# Allegro board 8880F5-0825_4.brd (continued)
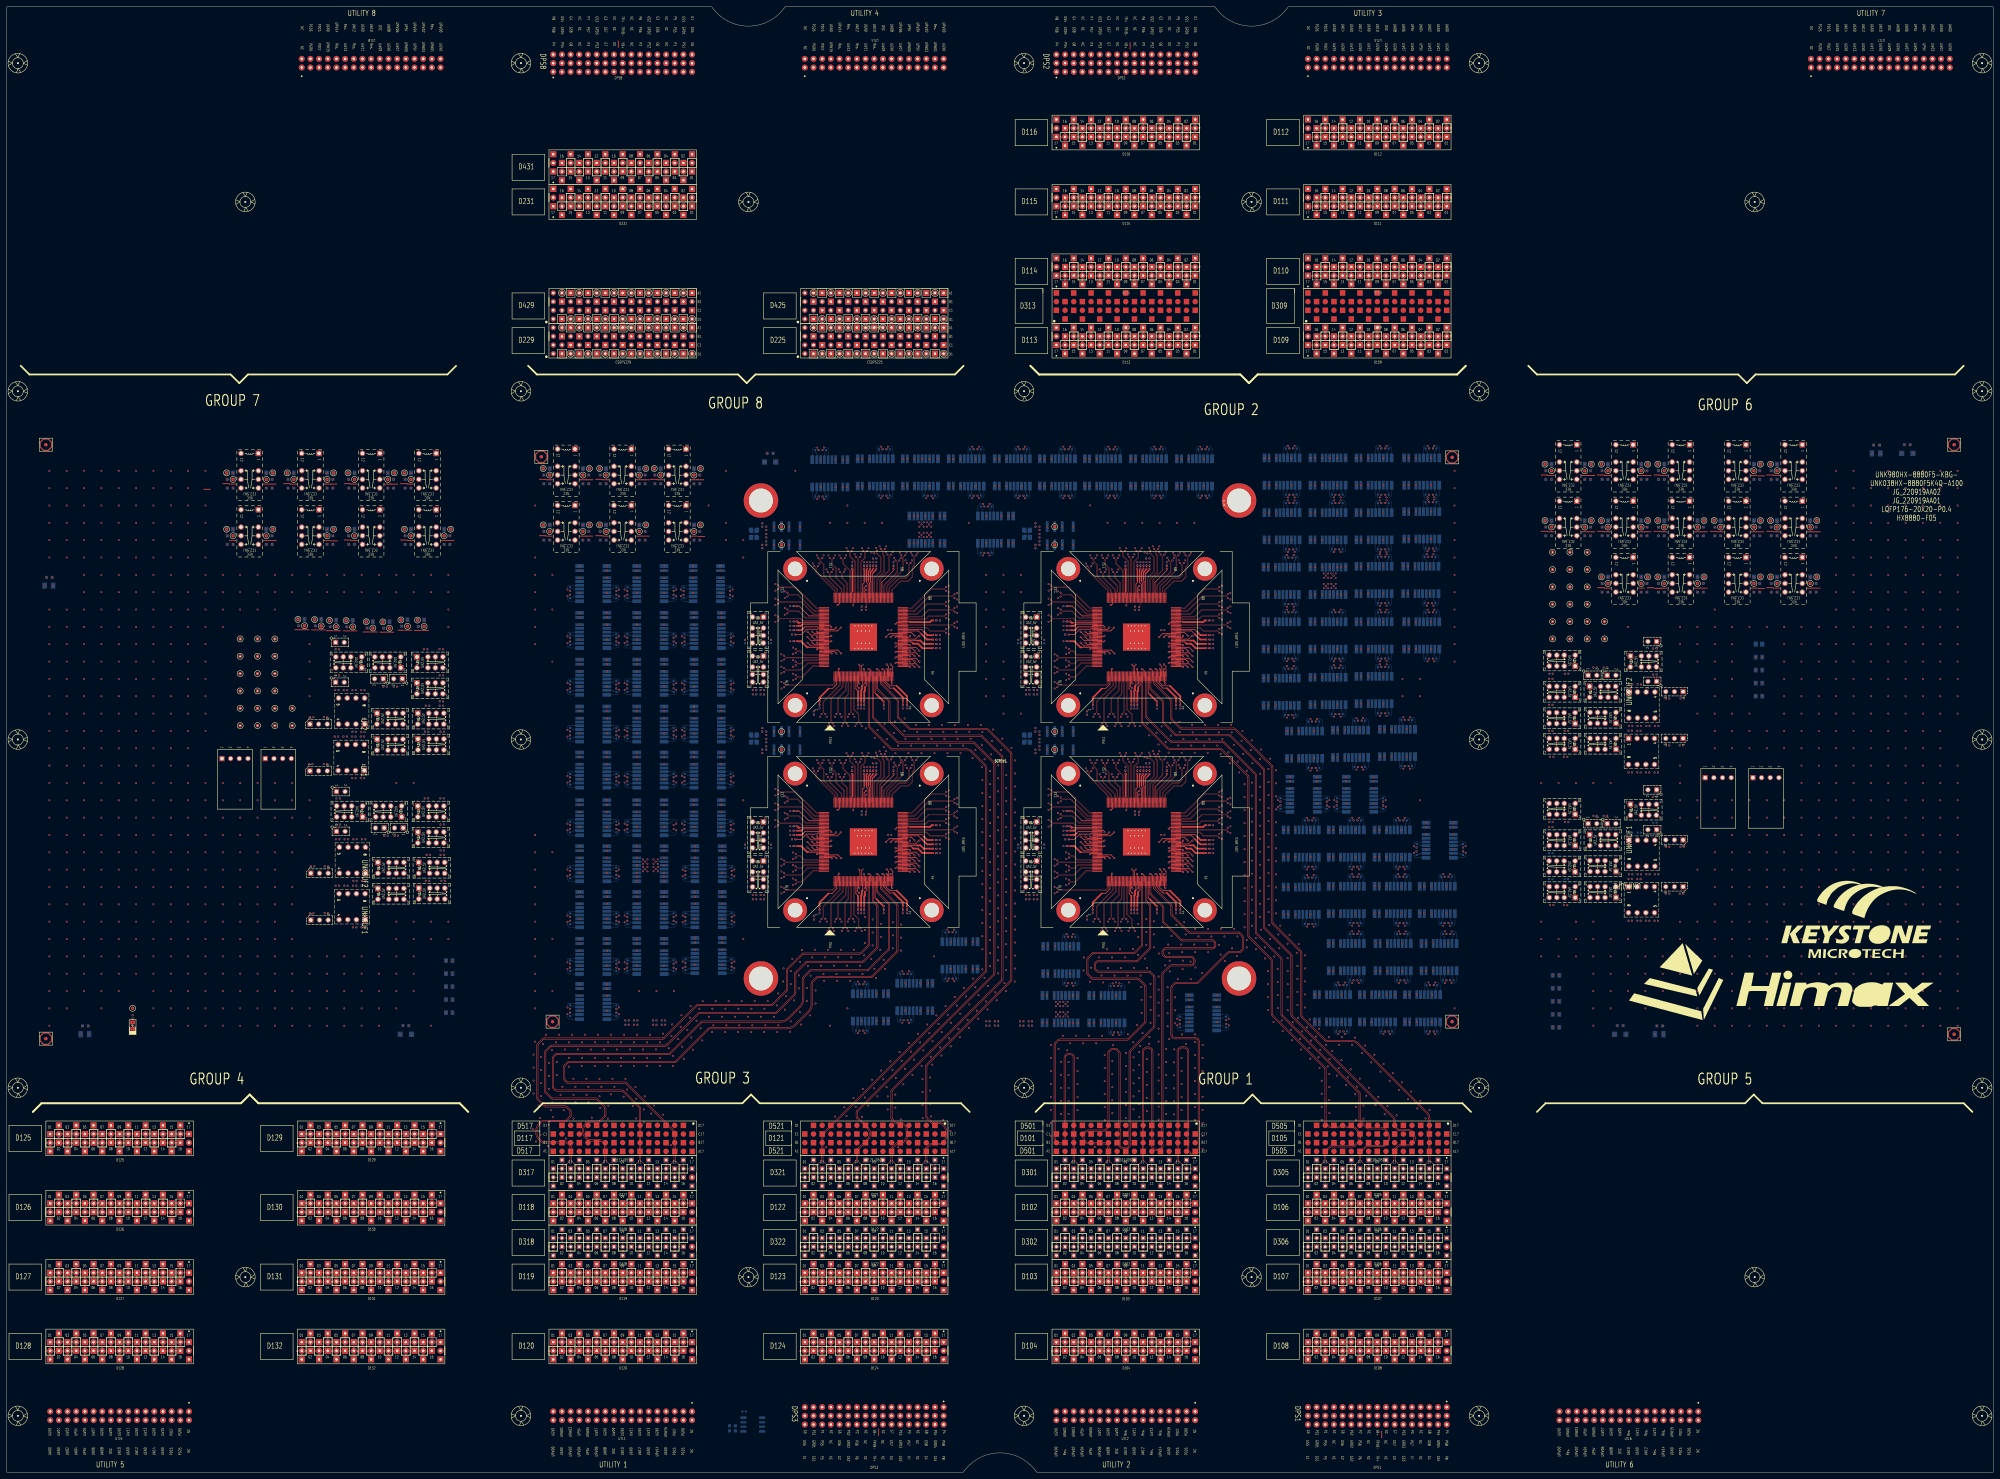
[diagram p0: board, top side]
## Routing (per net, layer and track width the routed paths; a pad name or vN(x,y) marks a point on that pad's centre or on a via; arc(x,y) is an arc through that point) (continued)
  L03_SIGNAL w0.074: D231.B12 172.72,369.11 ; D231.B12 171.91,368.3 ; D231.B12 173.53,368.3 ; D231.B12 172.72,367.49 ; D128.B14 46.53,40.64 ; D128.B14 45.72,39.83 ; D128.B14 45.72,41.45 ; D128.B14 44.91,40.64 ; 96.2,219.15 U2.4 ; U2.4 98.08,219.15 ; U2.4 97.14,218.21 ; U2.4 97.14,220.09 ; 263.45,88.9 D321.B13 ; D321.B13 264.16,89.61 ; D321.B13 264.16,88.19 ; D321.B13 264.87,88.9 ; D118.B1 160.02,79.55 ; D118.B1 159.21,78.74 ; D118.B1 160.02,77.93 ; D118.B1 160.83,78.74 ; 327.66,390.35 D116.B9 ; D116.B9 327.66,391.97 ; D116.B9 326.85,391.16 ; D116.B9 328.47,391.16 ; D115.A10 325.93,373.38 ; D115.A10 325.12,374.19 ; D115.A10 325.12,372.57 ; D115.A10 324.31,373.38 ; 311.61,350.52 D114.B15 ; D114.B15 312.42,349.71 ; D114.B15 312.42,351.33 ; D114.B15 313.23,350.52 ; 91.44,98.25 D129.B3 ; D129.B3 92.25,99.06 ; D129.B3 90.63,99.06 ; D129.B3 91.44,99.87 ; SITE3.G16 252.63,183.31 ; SITE3.G16 252.63,182.35 ; SITE3.G16 252.15,182.83 ; SITE3.G16 253.11,182.83 ; D129.B4 93.98,102.41 ; D129.B4 93.17,101.6 ; D129.B4 94.79,101.6 ; D129.B4 93.98,100.79 ; D102.B3 312.42,79.55 ; D102.B3 313.23,78.74 ; D102.B3 311.61,78.74 ; D102.B3 312.42,77.93 ; D305.A6 393.7,87.07 ; D305.A6 392.99,86.36 ; D305.A6 394.41,86.36 ; D305.A6 393.7,85.65 ; D123.B7 249.73,58.42 ; D123.B7 248.92,59.23 ; D123.B7 248.92,57.61 ; D123.B7 248.11,58.42 ; 386.08,32.21 D108.A3 ; D108.A3 385.27,33.02 ; D108.A3 386.08,33.83 ; D108.A3 386.89,33.02 ; 255.73,81.28 D122.B10 ; D122.B10 256.54,82.09 ; D122.B10 256.54,80.47 ; D122.B10 257.35,81.28 ; D103.A1 307.34,54.15 ; D103.A1 306.53,53.34 ; D103.A1 307.34,52.53 ; D103.A1 308.15,53.34 ; 34.75,81.28 D126.B10 ; D126.B10 35.56,80.47 ; D126.B10 35.56,82.09 ; D126.B10 36.37,81.28 ; D129.B10 110.03,101.6 ; D129.B10 109.22,100.79 ; D129.B10 108.41,101.6 ; D129.B10 109.22,102.41 ; D125.B6 26.21,101.6 ; D125.B6 24.59,101.6 ; D125.B6 25.4,102.41 ; D125.B6 25.4,100.79 ; 38.1,72.85 D126.A11 ; D126.A11 37.29,73.66 ; D126.A11 38.91,73.66 ; D126.A11 38.1,74.47 ; 170.18,339.55 CSDPS429.C13 ; CSDPS429.C13 170.99,340.36 ; CSDPS429.C13 170.18,341.17 ; CSDPS429.C13 169.37,340.36 ; CSDPS225.C15 239.57,330.2 ; CSDPS225.C15 238.76,329.39 ; CSDPS225.C15 237.95,330.2 ; CSDPS225.C15 238.76,331.01 ; 119.38,55.07 D131.A14 ; D131.A14 120.19,55.88 ; D131.A14 119.38,56.69 ; D131.A14 118.57,55.88 ; D318.A2 162.56,66.75 ; D318.A2 163.27,66.04 ; D318.A2 162.56,65.33 ; D318.A2 161.85,66.04 ; D124.B9 254.81,38.1 ; D124.B9 254,37.29 ; D124.B9 253.19,38.1 ; D124.B9 254,38.91 ; 482.59,184.17 UNK4U1.4 ; UNK4U1.4 481.65,185.11 ; UNK4U1.4 483.53,185.11 ; UNK4U1.4 482.59,186.05 ; D301.A6 320.75,86.36 ; D301.A6 320.04,85.65 ; D301.A6 320.04,87.07 ; D301.A6 319.33,86.36 ; 416.56,349.71 D110.B3 ; D110.B3 417.37,350.52 ; D110.B3 415.75,350.52 ; D110.B3 416.56,351.33 ; 258.27,58.42 D123.B11 ; D123.B11 259.08,59.23 ; D123.B11 259.89,58.42 ; D123.B11 259.08,57.61 ; 388.62,75.39 D106.A4 ; D106.A4 389.43,76.2 ; D106.A4 387.81,76.2 ; D106.A4 388.62,77.01 ; 342.09,330.2 D113.B3 ; D113.B3 343.71,330.2 ; D113.B3 342.9,329.39 ; D113.B3 342.9,331.01 ; 165.1,339.55 CSDPS429.C15 ; CSDPS429.C15 164.29,340.36 ; CSDPS429.C15 165.91,340.36 ; CSDPS429.C15 165.1,341.17 ; D231.A7 186.23,375.92 ; D231.A7 185.42,376.73 ; D231.A7 185.42,375.11 ; D231.A7 184.61,375.92 ; D109.A13 391.16,336.09 ; D109.A13 391.97,335.28 ; D109.A13 390.35,335.28 ; D109.A13 391.16,334.47 ; 37.29,53.34 D127.A11 ; D127.A11 38.1,52.53 ; D127.A11 38.1,54.15 ; D127.A11 38.91,53.34 ; SITE3.G9 250.33,188.41 ; SITE3.G9 250.33,187.45 ; SITE3.G9 249.85,187.93 ; SITE3.G9 250.81,187.93 ; D301.B10 330.91,91.44 ; D301.B10 330.2,92.15 ; D301.B10 329.49,91.44 ; D301.B10 330.2,90.73 ; 167.64,34.75 D120.A4 ; D120.A4 167.64,36.37 ; D120.A4 166.83,35.56 ; D120.A4 168.45,35.56 ; SITE4.G16 333.11,182.83 ; SITE4.G16 332.15,182.83 ; SITE4.G16 332.63,182.35 ; SITE4.G16 332.63,183.31 ; 198.12,331.93 CSDPS229.B2 ; CSDPS229.B2 198.12,333.55 ; CSDPS229.B2 198.93,332.74 ; CSDPS229.B2 197.31,332.74 ; 385.37,63.5 D306.A3 ; D306.A3 386.79,63.5 ; D306.A3 386.08,62.79 ; D306.A3 386.08,64.21 ; 159.21,33.02 D120.A1 ; D120.A1 160.02,33.83 ; D120.A1 160.02,32.21 ; D120.A1 160.83,33.02 ; D106.B10 403.86,82.09 ; D106.B10 404.67,81.28 ; D106.B10 403.86,80.47 ; D106.B10 403.05,81.28 ; D110.B8 403.86,348.79 ; D110.B8 403.86,347.17 ; D110.B8 403.05,347.98 ; D110.B8 404.67,347.98 ; D102.B8 325.93,81.28 ; D102.B8 324.31,81.28 ; D102.B8 325.12,82.09 ; D102.B8 325.12,80.47 ; D106.A15 416.56,74.47 ; D106.A15 417.37,73.66 ; D106.A15 416.56,72.85 ; D106.A15 415.75,73.66 ; 49.99,76.2 D126.A16 ; D126.A16 50.8,75.39 ; D126.A16 50.8,77.01 ; D126.A16 51.61,76.2 ; D113.B8 331.01,327.66 ; D113.B8 330.2,328.47 ; D113.B8 329.39,327.66 ; D113.B8 330.2,326.85 ; 248.11,330.2 CSDPS225.C11 ; CSDPS225.C11 248.92,329.39 ; CSDPS225.C11 248.92,331.01 ; CSDPS225.C11 249.73,330.2 ; 263.35,340.36 CSDPS425.C5 ; CSDPS425.C5 264.16,339.55 ; CSDPS425.C5 264.97,340.36 ; CSDPS425.C5 264.16,341.17 ; D114.B10 325.12,348.79 ; D114.B10 324.31,347.98 ; D114.B10 325.93,347.98 ; D114.B10 325.12,347.17 ; D125.A12 40.64,97.33 ; D125.A12 41.45,96.52 ; D125.A12 40.64,95.71 ; D125.A12 39.83,96.52 ; 311.61,370.84 D115.B15 ; D115.B15 312.42,371.65 ; D115.B15 313.23,370.84 ; D115.B15 312.42,370.03 ; SITE3.G1 248.33,181.81 ; SITE3.G1 247.85,181.33 ; SITE3.G1 248.81,181.33 ; SITE3.G1 248.33,180.85 ; 414.02,367.49 D111.B4 ; D111.B4 414.83,368.3 ; D111.B4 414.02,369.11 ; D111.B4 413.21,368.3 ; 396.24,57.61 D107.B7 ; D107.B7 397.05,58.42 ; D107.B7 395.43,58.42 ; D107.B7 396.24,59.23 ; D106.A10 403.86,77.01 ; D106.A10 403.86,75.39 ; D106.A10 404.67,76.2 ; D106.A10 403.05,76.2 ; 268.43,58.42 D123.B15 ; D123.B15 269.24,59.23 ; D123.B15 270.05,58.42 ; D123.B15 269.24,57.61 ; D116.B1 348.79,391.16 ; D116.B1 347.98,390.35 ; D116.B1 347.98,391.97 ; D116.B1 347.17,391.16 ; 383.54,34.75 D108.A2 ; D108.A2 384.35,35.56 ; D108.A2 382.73,35.56 ; D108.A2 383.54,36.37 ; D124.A16 272.59,35.56 ; D124.A16 271.78,36.37 ; D124.A16 270.97,35.56 ; D124.A16 271.78,34.75 ; DPS2.C11 322.58,411.02 ; DPS2.C11 322.58,409.4 ; DPS2.C11 323.39,410.21 ; DPS2.C11 321.77,410.21 ; CSDPS425.C9 254,341.17 ; CSDPS425.C9 254,339.55 ; CSDPS425.C9 253.19,340.36 ; CSDPS425.C9 254.81,340.36 ; 32.21,93.98 D125.A9 ; D125.A9 33.02,94.79 ; D125.A9 33.02,93.17 ; D125.A9 33.83,93.98 ; 160.02,57.61 D119.B1 ; D119.B1 159.21,58.42 ; D119.B1 160.83,58.42 ; D119.B1 160.02,59.23 ; D116.B2 345.44,389.43 ; D116.B2 346.25,388.62 ; D116.B2 344.63,388.62 ; D116.B2 345.44,387.81 ; 321.87,83.82 D301.A7 ; D301.A7 323.29,83.82 ; D301.A7 322.58,84.53 ; D301.A7 322.58,83.11 ; CSDPS429.C11 176.07,340.36 ; CSDPS429.C11 175.26,341.17 ; CSDPS429.C11 175.26,339.55 ; CSDPS429.C11 174.45,340.36 ; D116.A14 315.77,393.7 ; D116.A14 314.96,392.89 ; D116.A14 314.15,393.7 ; D116.A14 314.96,394.51 ; DPS3.C01 233.68,19.86 ; DPS3.C01 233.68,18.24 ; DPS3.C01 232.87,19.05 ; DPS3.C01 234.49,19.05 ; 91.44,77.93 D130.B3 ; D130.B3 90.63,78.74 ; D130.B3 91.44,79.55 ; D130.B3 92.25,78.74 ; D115.B10 325.93,368.3 ; D115.B10 325.12,367.49 ; D115.B10 325.12,369.11 ; D115.B10 324.31,368.3 ; 268.43,13.97 DPS3.A15 ; DPS3.A15 269.24,14.78 ; DPS3.A15 269.24,13.16 ; DPS3.A15 270.05,13.97 ; 238.05,68.58 D322.B3 ; D322.B3 238.76,69.29 ; D322.B3 239.47,68.58 ; D322.B3 238.76,67.87 ; 271.78,80.47 D122.B16 ; D122.B16 272.59,81.28 ; D122.B16 271.78,82.09 ; D122.B16 270.97,81.28 ; 95.71,78.74 D130.B5 ; D130.B5 96.52,79.55 ; D130.B5 96.52,77.93 ; D130.B5 97.33,78.74 ; D103.B12 336.09,60.96 ; D103.B12 335.28,60.15 ; D103.B12 335.28,61.77 ; D103.B12 334.47,60.96 ; D119.A7 176.07,53.34 ; D119.A7 175.26,52.53 ; D119.A7 174.45,53.34 ; D119.A7 175.26,54.15 ; 408.13,327.66 D109.B6 ; D109.B6 409.75,327.66 ; D109.B6 408.94,328.47 ; D109.B6 408.94,326.85 ; 174.45,330.2 CSDPS229.C11 ; CSDPS229.C11 176.07,330.2 ; CSDPS229.C11 175.26,331.01 ; CSDPS229.C11 175.26,329.39 ; 99.06,60.15 D131.B6 ; D131.B6 99.06,61.77 ; D131.B6 99.87,60.96 ; D131.B6 98.25,60.96 ; 121.11,93.98 D129.A15 ; D129.A15 121.92,94.79 ; D129.A15 122.73,93.98 ; D129.A15 121.92,93.17 ; 307.34,77.93 D102.B1 ; D102.B1 306.53,78.74 ; D102.B1 308.15,78.74 ; D102.B1 307.34,79.55 ; D128.B9 33.83,38.1 ; D128.B9 33.02,37.29 ; D128.B9 32.21,38.1 ; D128.B9 33.02,38.91 ; 342.9,62.79 D302.A15 ; D302.A15 342.9,64.21 ; D302.A15 342.19,63.5 ; D302.A15 343.61,63.5 ; 166.83,383.54 D431.A14 ; D431.A14 168.45,383.54 ; D431.A14 167.64,382.73 ; D431.A14 167.64,384.35 ; D109.A3 416.56,336.09 ; D109.A3 417.37,335.28 ; D109.A3 415.75,335.28 ; D109.A3 416.56,334.47 ; 396.24,349.71 D110.B11 ; D110.B11 397.05,350.52 ; D110.B11 396.24,351.33 ; D110.B11 395.43,350.52 ; 398.78,55.07 D107.A8 ; D107.A8 398.78,56.69 ; D107.A8 399.59,55.88 ; D107.A8 397.97,55.88 ; 340.36,70.41 D302.B14 ; D302.B14 340.36,71.83 ; D302.B14 339.65,71.12 ; D302.B14 341.07,71.12 ; 29.67,35.56 D128.A8 ; D128.A8 31.29,35.56 ; D128.A8 30.48,34.75 ; D128.A8 30.48,36.37 ; 248.92,52.53 D123.A7 ; D123.A7 248.11,53.34 ; D123.A7 249.73,53.34 ; D123.A7 248.92,54.15 ; D306.B15 416.56,69.29 ; D306.B15 417.27,68.58 ; D306.B15 416.56,67.87 ; D306.B15 415.85,68.58 ; 180.34,77.93 D118.B9 ; D118.B9 180.34,79.55 ; D118.B9 179.53,78.74 ; D118.B9 181.15,78.74 ; 171.91,81.28 D118.B6 ; D118.B6 173.53,81.28 ; D118.B6 172.72,82.09 ; D118.B6 172.72,80.47 ; 330.95,242.83 SITE2.G15 ; SITE2.G15 331.43,242.35 ; SITE2.G15 331.43,243.31 ; SITE2.G15 331.91,242.83 ; D301.B14 341.07,91.44 ; D301.B14 339.65,91.44 ; D301.B14 340.36,92.15 ; D301.B14 340.36,90.73 ; 96.52,37.29 D132.B5 ; D132.B5 97.33,38.1 ; D132.B5 95.71,38.1 ; D132.B5 96.52,38.91 ; D129.A6 99.87,96.52 ; D129.A6 99.06,97.33 ; D129.A6 99.06,95.71 ; D129.A6 98.25,96.52 ; 415.75,58.42 D107.B15 ; D107.B15 416.56,57.61 ; D107.B15 417.37,58.42 ; D107.B15 416.56,59.23 ; 37.29,38.1 D128.B11 ; D128.B11 38.1,38.91 ; D128.B11 38.1,37.29 ; D128.B11 38.91,38.1 ; 334.47,368.3 D115.B6 ; D115.B6 335.28,369.11 ; D115.B6 335.28,367.49 ; D115.B6 336.09,368.3 ; 182.17,91.44 D317.B10 ; D317.B10 182.88,92.15 ; D317.B10 183.59,91.44 ; D317.B10 182.88,90.73 ; 109.22,39.83 D132.B10 ; D132.B10 109.22,41.45 ; D132.B10 108.41,40.64 ; D132.B10 110.03,40.64 ; D322.A3 239.47,63.5 ; D322.A3 238.76,64.21 ; D322.A3 238.05,63.5 ; D322.A3 238.76,62.79 ; D231.A11 176.07,375.92 ; D231.A11 174.45,375.92 ; D231.A11 175.26,375.11 ; D231.A11 175.26,376.73 ; D112.A2 419.91,393.7 ; D112.A2 419.1,394.51 ; D112.A2 418.29,393.7 ; D112.A2 419.1,392.89 ; 405.59,350.52 D110.B7 ; D110.B7 406.4,349.71 ; D110.B7 406.4,351.33 ; D110.B7 407.21,350.52 ; 35.56,95.71 D125.A10 ; D125.A10 36.37,96.52 ; D125.A10 35.56,97.33 ; D125.A10 34.75,96.52 ; 179.53,53.34 D119.A9 ; D119.A9 181.15,53.34 ; D119.A9 180.34,52.53 ; D119.A9 180.34,54.15 ; D301.A12 335.28,87.07 ; D301.A12 335.99,86.36 ; D301.A12 334.57,86.36 ; D301.A12 335.28,85.65 ; 98.25,35.56 D132.A6 ; D132.A6 99.06,34.75 ; D132.A6 99.06,36.37 ; D132.A6 99.87,35.56 ; D128.A2 16.05,35.56 ; D128.A2 14.43,35.56 ; D128.A2 15.24,36.37 ; D128.A2 15.24,34.75 ; 198.12,382.73 D431.A2 ; D431.A2 197.31,383.54 ; D431.A2 198.93,383.54 ; D431.A2 198.12,384.35 ; D124.A13 264.16,33.83 ; D124.A13 264.16,32.21 ; D124.A13 263.35,33.02 ; D124.A13 264.97,33.02 ; D322.B14 266.7,71.83 ; D322.B14 267.41,71.12 ; D322.B14 266.7,70.41 ; D322.B14 265.99,71.12 ; 416.56,77.93 D106.B15 ; D106.B15 415.75,78.74 ; D106.B15 416.56,79.55 ; D106.B15 417.37,78.74 ; 47.45,33.02 D128.A15 ; D128.A15 48.26,33.83 ; D128.A15 49.07,33.02 ; D128.A15 48.26,32.21 ; D113.A3 343.71,335.28 ; D113.A3 342.9,334.47 ; D113.A3 342.9,336.09 ; D113.A3 342.09,335.28 ; D110.A1 422.45,355.6 ; D110.A1 421.64,356.41 ; D110.A1 421.64,354.79 ; D110.A1 420.83,355.6 ; D128.A4 21.13,35.56 ; D128.A4 20.32,34.75 ; D128.A4 20.32,36.37 ; D128.A4 19.51,35.56 ; D322.B5 243.84,69.29 ; D322.B5 244.55,68.58 ; D322.B5 243.84,67.87 ; D322.B5 243.13,68.58 ; D120.A15 196.39,33.02 ; D120.A15 195.58,32.21 ; D120.A15 195.58,33.83 ; D120.A15 194.77,33.02 ; D126.A9 33.83,73.66 ; D126.A9 33.02,72.85 ; D126.A9 33.02,74.47 ; D126.A9 32.21,73.66 ; D113.A5 338.63,335.28 ; D113.A5 337.01,335.28 ; D113.A5 337.82,336.09 ; D113.A5 337.82,334.47 ; D129.B13 116.84,99.87 ; D129.B13 117.65,99.06 ; D129.B13 116.84,98.25 ; D129.B13 116.03,99.06 ; D113.A2 346.25,332.74 ; D113.A2 344.63,332.74 ; D113.A2 345.44,333.55 ; D113.A2 345.44,331.93 ; 187.15,40.64 D120.B12 ; D120.B12 187.96,41.45 ; D120.B12 187.96,39.83 ; D120.B12 188.77,40.64 ; 391.16,370.03 D111.B13 ; D111.B13 391.16,371.65 ; D111.B13 390.35,370.84 ; D111.B13 391.97,370.84 ; D104.B5 318.31,38.1 ; D104.B5 317.5,38.91 ; D104.B5 316.69,38.1 ; D104.B5 317.5,37.29 ; D112.A14 388.62,394.51 ; D112.A14 389.43,393.7 ; D112.A14 387.81,393.7 ; D112.A14 388.62,392.89 ; SITE3.G11 252.81,187.93 ; SITE3.G11 251.85,187.93 ; SITE3.G11 252.33,187.45 ; SITE3.G11 252.33,188.41 ; D231.B3 195.58,371.65 ; D231.B3 195.58,370.03 ; D231.B3 196.39,370.84 ; D231.B3 194.77,370.84 ; 408.23,86.36 D305.A12 ; D305.A12 408.94,87.07 ; D305.A12 409.65,86.36 ; D305.A12 408.94,85.65 ; D301.B12 335.28,92.15 ; D301.B12 335.99,91.44 ; D301.B12 335.28,90.73 ; D301.B12 334.57,91.44 ; D104.A6 320.04,36.37 ; D104.A6 319.23,35.56 ; D104.A6 320.04,34.75 ; D104.A6 320.85,35.56 ; 413.21,81.28 D106.B14 ; D106.B14 414.83,81.28 ; D106.B14 414.02,82.09 ; D106.B14 414.02,80.47 ; D102.A10 330.2,77.01 ; D102.A10 329.39,76.2 ; D102.A10 330.2,75.39 ; D102.A10 331.01,76.2 ; D318.B5 170.89,68.58 ; D318.B5 170.18,69.29 ; D318.B5 170.18,67.87 ; D318.B5 169.47,68.58 ; D118.B11 186.23,78.74 ; D118.B11 185.42,77.93 ; D118.B11 185.42,79.55 ; D118.B11 184.61,78.74 ; 264.16,83.11 D321.A13 ; D321.A13 264.87,83.82 ; D321.A13 263.45,83.82 ; D321.A13 264.16,84.53 ; D110.A5 412.29,355.6 ; D110.A5 411.48,356.41 ; D110.A5 411.48,354.79 ; D110.A5 410.67,355.6 ; 317.5,62.79 D302.A5 ; D302.A5 316.79,63.5 ; D302.A5 317.5,64.21 ; D302.A5 318.21,63.5 ; D122.A7 248.92,74.47 ; D122.A7 248.11,73.66 ; D122.A7 249.73,73.66 ; D122.A7 248.92,72.85 ; D102.B16 346.25,81.28 ; D102.B16 344.63,81.28 ; D102.B16 345.44,82.09 ; D102.B16 345.44,80.47 ; 266.7,65.33 D322.A14 ; D322.A14 267.41,66.04 ; D322.A14 265.99,66.04 ; D322.A14 266.7,66.75 ; D103.A11 332.74,54.15 ; D103.A11 332.74,52.53 ; D103.A11 331.93,53.34 ; D103.A11 333.55,53.34 ; 249.03,242.35 SITE1.G13 ; SITE1.G13 249.03,243.31 ; SITE1.G13 249.51,242.83 ; SITE1.G13 248.55,242.83 ; D112.B15 386.08,391.97 ; D112.B15 385.27,391.16 ; D112.B15 386.08,390.35 ; D112.B15 386.89,391.16 ; 309.07,373.38 D115.A16 ; D115.A16 309.88,374.19 ; D115.A16 310.69,373.38 ; D115.A16 309.88,372.57 ; D126.A6 26.21,76.2 ; D126.A6 25.4,75.39 ; D126.A6 24.59,76.2 ; D126.A6 25.4,77.01 ; SITE4.G19 331.91,186.43 ; SITE4.G19 331.43,185.95 ; SITE4.G19 330.95,186.43 ; SITE4.G19 331.43,186.91 ; D301.B9 327.66,89.61 ; D301.B9 328.37,88.9 ; D301.B9 326.95,88.9 ; D301.B9 327.66,88.19 ; D102.A9 328.47,73.66 ; D102.A9 327.66,72.85 ; D102.A9 326.85,73.66 ; D102.A9 327.66,74.47 ; 185.42,67.87 D318.B11 ; D318.B11 184.71,68.58 ; D318.B11 185.42,69.29 ; D318.B11 186.13,68.58 ; D120.B2 162.56,41.45 ; D120.B2 161.75,40.64 ; D120.B2 163.37,40.64 ; D120.B2 162.56,39.83 ; D301.B15 342.9,89.61 ; D301.B15 342.19,88.9 ; D301.B15 342.9,88.19 ; D301.B15 343.61,88.9 ; D126.B2 15.24,82.09 ; D126.B2 15.24,80.47 ; D126.B2 16.05,81.28 ; D126.B2 14.43,81.28 ; 29.67,40.64 D128.B8 ; D128.B8 30.48,41.45 ; D128.B8 31.29,40.64 ; D128.B8 30.48,39.83 ; CSDPS229.B12 172.72,333.55 ; CSDPS229.B12 171.91,332.74 ; CSDPS229.B12 173.53,332.74 ; CSDPS229.B12 172.72,331.93 ; D114.B11 322.58,351.33 ; D114.B11 323.39,350.52 ; D114.B11 321.77,350.52 ; D114.B11 322.58,349.71 ; D132.B13 116.84,38.91 ; D132.B13 116.84,37.29 ; D132.B13 116.03,38.1 ; D132.B13 117.65,38.1 ; SITE1.G9 250.33,248.41 ; SITE1.G9 249.85,247.93 ; SITE1.G9 250.33,247.45 ; SITE1.G9 250.81,247.93 ; D318.B1 160.02,69.29 ; D318.B1 160.73,68.58 ; D318.B1 160.02,67.87 ; D318.B1 159.31,68.58 ; SITE4.G5 332.33,181.81 ; SITE4.G5 332.33,180.85 ; SITE4.G5 331.85,181.33 ; SITE4.G5 332.81,181.33 ; 395.43,396.24 D112.A11 ; D112.A11 396.24,395.43 ; D112.A11 397.05,396.24 ; D112.A11 396.24,397.05 ; SITE4.G1 328.81,181.33 ; SITE4.G1 328.33,180.85 ; SITE4.G1 327.85,181.33 ; SITE4.G1 328.33,181.81 ; D301.B16 346.15,91.44 ; D301.B16 345.44,90.73 ; D301.B16 345.44,92.15 ; D301.B16 344.73,91.44 ; D124.A14 266.7,36.37 ; D124.A14 266.7,34.75 ; D124.A14 265.89,35.56 ; D124.A14 267.51,35.56 ; DPS2.A11 323.39,415.29 ; DPS2.A11 321.77,415.29 ; DPS2.A11 322.58,414.48 ; DPS2.A11 322.58,416.1 ; 418.29,60.96 D107.B16 ; D107.B16 419.1,61.77 ; D107.B16 419.1,60.15 ; D107.B16 419.91,60.96 ; 42.37,99.06 D125.B13 ; D125.B13 43.18,99.87 ; D125.B13 43.18,98.25 ; D125.B13 43.99,99.06 ; D120.B7 175.26,38.91 ; D120.B7 175.26,37.29 ; D120.B7 174.45,38.1 ; D120.B7 176.07,38.1 ; D118.B16 198.93,81.28 ; D118.B16 198.12,82.09 ; D118.B16 198.12,80.47 ; D118.B16 197.31,81.28 ; D107.A11 407.21,53.34 ; D107.A11 406.4,54.15 ; D107.A11 405.59,53.34 ; D107.A11 406.4,52.53 ; D114.A9 328.47,355.6 ; D114.A9 326.85,355.6 ; D114.A9 327.66,356.41 ; D114.A9 327.66,354.79 ; 408.13,388.62 D112.B6 ; D112.B6 408.94,387.81 ; D112.B6 408.94,389.43 ; D112.B6 409.75,388.62 ; 251.46,75.39 D122.A8 ; D122.A8 250.65,76.2 ; D122.A8 252.27,76.2 ; D122.A8 251.46,77.01 ; 380.19,78.74 D106.B1 ; D106.B1 381.81,78.74 ; D106.B1 381,77.93 ; D106.B1 381,79.55 ; SITE1.G5 252.81,241.33 ; SITE1.G5 252.33,241.81 ; SITE1.G5 251.85,241.33 ; SITE1.G5 252.33,240.85 ; D321.B11 259.08,89.61 ; D321.B11 259.08,88.19 ; D321.B11 259.79,88.9 ; D321.B11 258.37,88.9 ; 391.16,62.79 D306.A5 ; D306.A5 390.45,63.5 ; D306.A5 391.16,64.21 ; D306.A5 391.87,63.5 ; D103.A5 318.31,53.34 ; D103.A5 317.5,52.53 ; D103.A5 317.5,54.15 ; D103.A5 316.69,53.34 ; 332.85,247.93 SITE2.G12 ; SITE2.G12 333.33,247.45 ; SITE2.G12 333.33,248.41 ; SITE2.G12 333.81,247.93 ; D104.A1 308.15,33.02 ; D104.A1 306.53,33.02 ; D104.A1 307.34,32.21 ; D104.A1 307.34,33.83 ; 161.75,81.28 D118.B2 ; D118.B2 162.56,82.09 ; D118.B2 162.56,80.47 ; D118.B2 163.37,81.28 ; 337.82,83.11 D301.A13 ; D301.A13 337.82,84.53 ; D301.A13 337.11,83.82 ; D301.A13 338.53,83.82 ; 197.31,76.2 D118.A16 ; D118.A16 198.93,76.2 ; D118.A16 198.12,77.01 ; D118.A16 198.12,75.39 ; D122.B9 254.81,78.74 ; D122.B9 254,77.93 ; D122.B9 253.19,78.74 ; D122.B9 254,79.55 ; UNK4U2.4 483.43,171.51 ; UNK4U2.4 482.49,170.56 ; UNK4U2.4 482.49,172.45 ; UNK4U2.4 481.55,171.51 ; 408.94,65.33 D306.A12 ; D306.A12 409.65,66.04 ; D306.A12 408.94,66.75 ; D306.A12 408.23,66.04 ; D113.A10 325.93,332.74 ; D113.A10 325.12,333.55 ; D113.A10 325.12,331.93 ; D113.A10 324.31,332.74 ; D431.A17 160.83,386.08 ; D431.A17 160.02,386.89 ; D431.A17 160.02,385.27 ; D431.A17 159.21,386.08 ; D118.A13 191.31,73.66 ; D118.A13 189.69,73.66 ; D118.A13 190.5,74.47 ; D118.A13 190.5,72.85 ; D126.A7 28.75,73.66 ; D126.A7 27.94,74.47 ; D126.A7 27.13,73.66 ; D126.A7 27.94,72.85 ; 325.12,39.83 D104.B8 ; D104.B8 325.12,41.45 ; D104.B8 324.31,40.64 ; D104.B8 325.93,40.64 ; 258.37,68.58 D322.B11 ; D322.B11 259.08,67.87 ; D322.B11 259.08,69.29 ; D322.B11 259.79,68.58 ; D123.A12 262.43,55.88 ; D123.A12 261.62,56.69 ; D123.A12 260.81,55.88 ; D123.A12 261.62,55.07 ; 410.77,68.58 D306.B13 ; D306.B13 411.48,69.29 ; D306.B13 412.19,68.58 ; D306.B13 411.48,67.87 ; 337.01,375.92 D115.A5 ; D115.A5 337.82,375.11 ; D115.A5 338.63,375.92 ; D115.A5 337.82,376.73 ; D114.B16 310.69,347.98 ; D114.B16 309.88,347.17 ; D114.B16 309.88,348.79 ; D114.B16 309.07,347.98 ; 332.74,83.11 D301.A11 ; D301.A11 333.45,83.82 ; D301.A11 332.03,83.82 ; D301.A11 332.74,84.53 ; D124.A1 234.49,33.02 ; D124.A1 233.68,33.83 ; D124.A1 233.68,32.21 ; D124.A1 232.87,33.02 ; D114.B8 330.2,348.79 ; D114.B8 329.39,347.98 ; D114.B8 330.2,347.17 ; D114.B8 331.01,347.98 ; 198.12,70.41 D318.B16 ; D318.B16 198.83,71.12 ; D318.B16 198.12,71.83 ; D318.B16 197.41,71.12 ; D322.A5 243.84,64.21 ; D322.A5 244.55,63.5 ; D322.A5 243.84,62.79 ; D322.A5 243.13,63.5 ; SITE2.G13 329.51,242.83 ; SITE2.G13 329.03,243.31 ; SITE2.G13 328.55,242.83 ; SITE2.G13 329.03,242.35 ; 326.85,370.84 D115.B9 ; D115.B9 327.66,371.65 ; D115.B9 328.47,370.84 ; D115.B9 327.66,370.03 ; D301.A14 341.07,86.36 ; D301.A14 340.36,85.65 ; D301.A14 340.36,87.07 ; D301.A14 339.65,86.36 